# Altium PCB Driver_BLDC.PcbDoc (part 2 of 3) (continued)
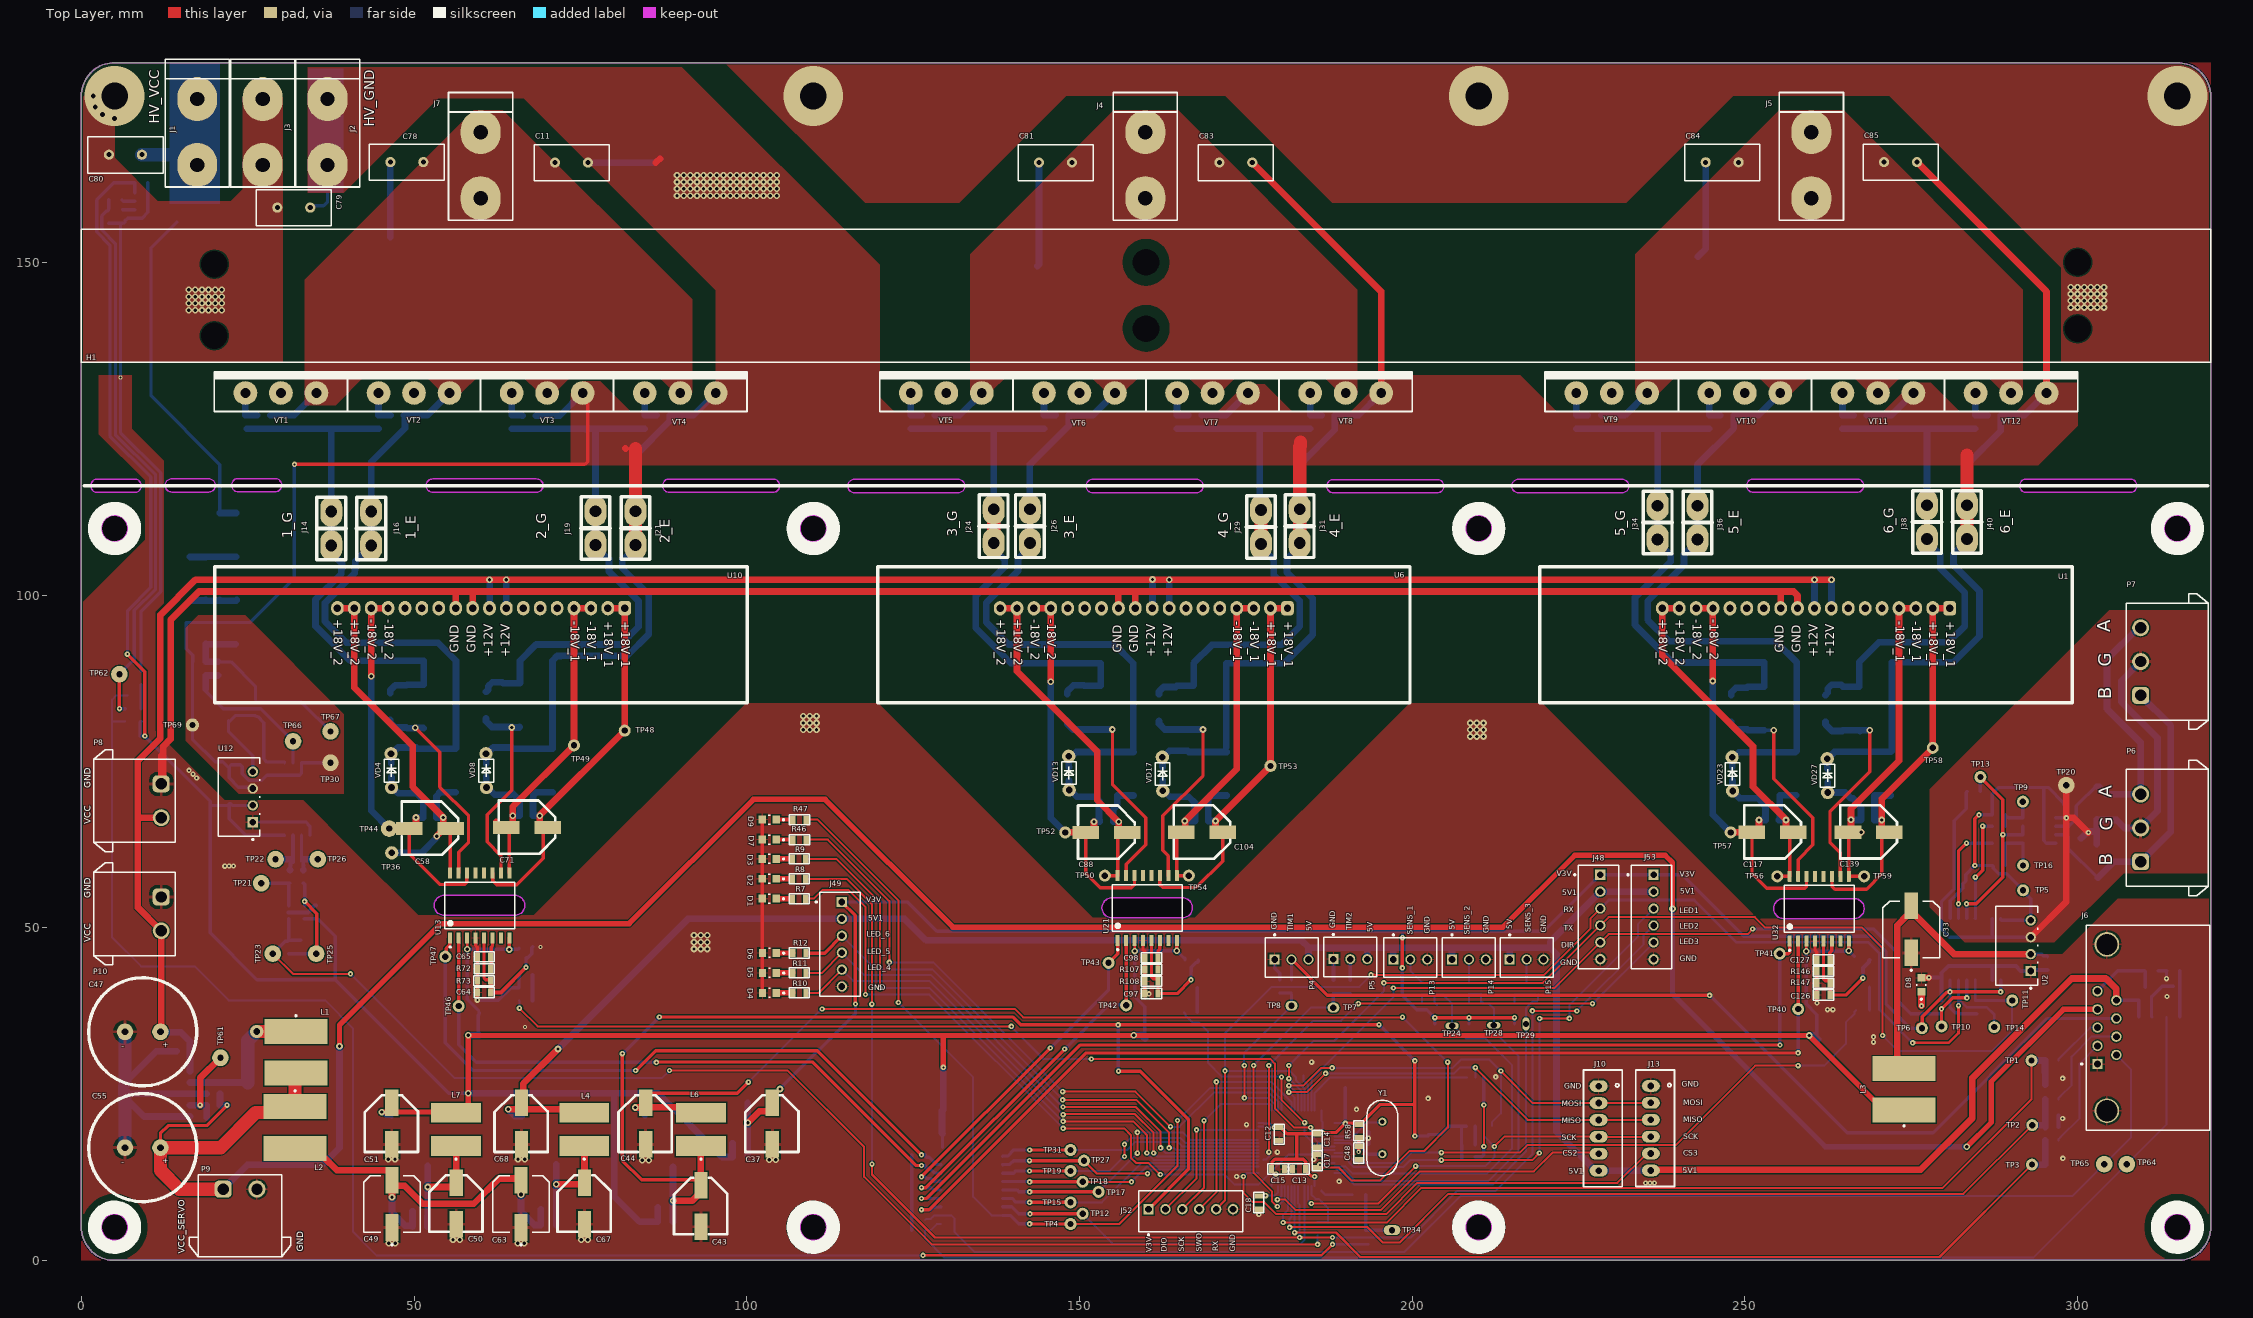
[diagram p0: Top Layer view]
## Nets (pads, with @x,y where several pads share a name; then routed paths per layer and width w, separated by ;. In a path a pad name is that pad's centre, name@x,y a point inside that pad or via, vN(x,y) a via of type N, cw(c..) or ccw(c..) an arc to the next point about the centre after c; other vN are vias at no path point) (continued)
  Bottom Layer w1: U18.6@6.03,25.04 6.03,26.17 6.564,26.704 6.564,26.713 9.72,29.87 9.73,29.87 11.3,31.44 C56.1@14.327,31.44 ; U18.6@6.564,24.506 9.434,21.636 U18.5@16.335,21.636 ; U18.6@6.564,25.04 U18.3@16.335,25.04 ; U18.3@16.335,25.04 C59.1@18.848,25.04
  Bottom Layer w2: C55.2@6.386,16.963 6.386,17.098 6.564,17.276 6.564,24.506 U18.6@6.564,25.04 ; U18.6@6.564,26.713 C47.2@6.564,34.362
  other v1: 46.198,2.584 47.198,2.584 65.573,2.584 66.573,2.584 55.848,3.109 56.848,3.109 75.123,3.134 76.123,3.134 84.273,15.084 85.273,15.084 103.373,15.134 104.373,15.134 46.134,15.189 47.134,15.189 65.623,15.209 66.623,15.209 92.072,46.82 93.072,46.82 94.072,46.82 92.072,47.816 93.072,47.816 94.072,47.816 92.072,48.852 93.072,48.852 94.072,48.852 208.722,78.745 209.722,78.745 210.722,78.745 208.722,79.741 209.722,79.741 210.722,79.741 108.475,79.779 109.475,79.779 110.475,79.779 108.475,80.775 109.475,80.775 110.475,80.775 208.722,80.777 209.722,80.777 210.722,80.777 108.475,81.811 109.475,81.811 110.475,81.811
  other v2: 235.099,11.63 235.75,11.63 236.4,11.63 173.628,12.631 297.783,15.338 179.741,16.288 175.1,20.4 297.758,21.338 191.634,22.717 202.395,24.357 297.758,27.363 212.561,27.607 184.9,29.8 269.325,32.8 269.324,33.6 262.412,37.683 263.212,37.683 313.424,39.677 21.566,59.264 22.216,59.275 22.866,59.275 17.343,72.509 16.793,73.091 16.191,73.649
  other v3: 176.95,6.925 189.03,11.881 181.375,13.742 185.195,15.203
  other v7: 66.705,35.068 69,47.075 5.875,132.7
"GND -650VDC": C11.1 C31.1 C32.2 C39.1 C76.1 C77.1 C79.1 C82.2 C83.1 C85.1 C110.1 C112.2 C142.1 C143.2 J2.1 J21.1 J31.1 J40.1 R79.1 R80.1 R81.1 R82.1 R91.1 R93.1 R102.1 R103.1 R116.1 R117.1 R118.1 R119.1 R152.1 R153.1 TP30.1 TP69.1 U7.3 U7.4 U12.3 VD6.1 VD8.1 VD15.1 VD17.1 VD25.1 VD27.1 VT3.3 VT4.3 VT7.3 VT8.3 VT11.3 VT12.3 | length 573.3
  Top Layer w0.5: v2(32.025,119.65) 75.693,119.65 76.093,120.05 76.093,128.784 75.334,129.543 VT3.3@75.334,130.369
  Top Layer w1: 81.75,122.05 81.819,121.981 ; 86.335,164.983 86.919,165.567 86.995,165.567 ; C83.1@175.971,165.004 195.334,145.641 VT8.3@195.334,130.369 ; C85.1@275.869,165.059 295.334,145.595 VT12.3@295.334,130.369 ; 283.38,120.986 283.435,121.041
  Top Layer w2: J21.1@83.277,107.512 J21.1@83.277,112.592 83.277,122.029 ; J31.1@183.094,107.808 J31.1@183.094,112.888 183.094,122.294 183.225,122.425 183.225,123 ; J40.1@283.38,108.426 J40.1@283.38,113.506 283.38,120.986
  Bottom Layer w0.5: U12.3@25.775,70.925 25.574,71.126 23.614,71.126 22.222,72.518 22.222,73.978 C32.2@22.125,74.075 ; v2(32.025,119.65) 32,119.625 32,102.5 25.375,95.875 15.774,95.875 R80.1@15.774,92.675 15.774,91.924 16.725,90.974 C77.1@16.725,89.975 16.7,89.95 16.7,87.913 R79.1@16.7,85.825 16.7,78.325 20.1,74.925 21.275,74.925 C32.2@22.125,74.075 ; C79.1@34.3,158.5 36.399,158.5 37,159.101 J2.1@37,164.634 ; TP30.1@37.446,74.8 U7.4@34.355,74.8 U7.3@33.085,74.8 33.085,73.193 32.792,72.9 C31.1@28.125,72.9 27.9,72.9 27.132,72.132 25.183,72.132 24.175,73.14 24.175,74.207 23.882,74.5 22.55,74.5 C32.2@22.125,74.075
  Bottom Layer w1: C82.2@60.857,74.645 60.831,74.67 60.831,76.12 VD8.1@60.806,76.145 60.956,76.145 61.892,77.081 C39.1@64.686,77.081 64.861,76.906 R82.1@68.401,76.906 R82.1@70.851,76.906 70.797,76.96 VD6.1@70.797,90.131 71.497,90.831 72.033,90.831 72.083,90.881 82.031,90.881 85.293,94.143 85.293,100.044 81.299,104.038 R81.1@81.299,104.276 ; R93.1@68.31,126.934 71.899,126.934 VT3.3@75.334,130.369 ; C11.1@76.135,164.983 86.411,164.983 86.995,165.567 ; R81.1@81.299,104.055 81.299,105.406 ; 81.299,105.227 83.277,107.205 J21.1@83.277,107.512 J21.1@83.277,112.592 83.277,118.674 83.277,119.568 83.277,120.977 88.439,126.139 R91.1@88.439,127.004 91.969,127.004 VT4.3@95.334,130.369 ; C112.2@162.503,74.141 162.478,74.166 162.478,75.615 VD17.1@162.453,75.641 162.573,75.641 163.523,76.591 C110.1@166.273,76.591 166.448,76.416 R119.1@169.678,76.416 R119.1@172.128,76.416 R119.1@171.994,76.55 ; R103.1@168.361,127.061 172.026,127.061 VT7.3@175.334,130.369 ; R119.1@172.034,77.13 VD15.1@172.034,89.771 180.794,89.771 185.039,94.016 185.039,99.53 181.179,103.39 R118.1@181.179,104.257 181.179,105.461 183.094,107.376 J31.1@183.094,107.808 ; J31.1@183.094,112.888 183.094,119.569 188.376,124.851 R102.1@188.376,127.01 191.976,127.01 VT8.3@195.334,130.369 ; J31.1@183.25,107.964 J31.1@183.25,112.732 ; C143.2@262.418,73.894 262.393,73.92 262.393,75.369 VD27.1@262.368,75.394 262.419,75.394 263.454,76.429 R153.1@269.473,76.429 R153.1@271.923,76.429 272.048,76.555 VD25.1@272.048,89.904 281.359,89.904 285.26,93.805 285.26,100.602 281.34,104.522 R152.1@281.34,105.243 281.34,106.204 283.38,108.244 J40.1@283.38,108.426 J40.1@283.38,113.506 283.38,119.625 288.452,124.697 R117.1@288.452,127.004 291.969,127.004 VT12.3@295.334,130.369 ; R116.1@268.335,127.004 271.969,127.004 VT11.3@275.334,130.369
  Bottom Layer w2: J31.1@183.094,112.888 J31.1@183.25,112.732
  other v1: 89.513,160.03 90.513,160.03 91.513,160.03 92.513,160.03 93.513,160.03 94.513,160.03 95.513,160.03 96.513,160.03 97.514,160.03 98.514,160.03 99.514,160.03 100.514,160.03 101.514,160.03 102.514,160.03 103.514,160.03 104.514,160.03 89.513,161.066 90.513,161.066 91.513,161.066 92.513,161.066 93.513,161.066 94.513,161.066 95.513,161.066 96.513,161.066 97.514,161.066 98.514,161.066 99.514,161.066 100.514,161.066 101.514,161.066 102.514,161.066 103.514,161.066 104.514,161.066 89.513,162.062 90.513,162.062 91.513,162.062 92.513,162.062 93.513,162.062 94.513,162.062 95.513,162.062 96.513,162.062 97.514,162.062 98.514,162.062 99.514,162.062 100.514,162.062 101.514,162.062 102.514,162.062 103.514,162.062 104.514,162.062 89.513,163.098 90.513,163.098 91.513,163.098 92.513,163.098 93.513,163.098 94.513,163.098 95.513,163.098 96.513,163.098 97.514,163.098 98.514,163.098 99.514,163.098 100.514,163.098 101.514,163.098 102.514,163.098 103.514,163.098 104.514,163.098
GND_2: C9.2 P6.2 P7.2 R38.1 R41.1 TP20.1 U2.3 U3.5 U4.9 U4.15 ZD1.2 ZD2.2 | length 112.7
  Top Layer w1: U2.3@292.961,48.578 298.316,53.933 v3(298.316,66.522) ; TP20.1@298.316,71.428 v3(298.316,66.522) ; v2(301.604,64.312) 299.394,66.522 v3(298.316,66.522) ; P6.2@309.475,65 P6.2@309.475,65.161
  Bottom Layer w0.5: R38.1@283.396,70.487 283.246,70.337 283.246,67.857 281.453,66.065 C9.2@281.453,56.922 281.453,55.845 279.556,53.947 U4.9@279.556,51.393 279.556,49.769 280.747,48.578 287.176,48.578 ; U4.15@287.176,51.393 287.176,48.578 ; U2.3@292.961,48.578 287.176,48.578 ; U3.5@296.711,66.522 v3(298.316,66.522) ; ZD2.2@302.858,62.549 ZD2.2@302.946,62.462
  Bottom Layer w1: R41.1@300.516,63.437 300.516,63.462 300.716,63.662 300.741,63.662 v2@301.497,64.419 ; v2@301.604,64.477 302.858,64.477 ; ZD2.2@302.858,62.549 302.858,64.477 ; ZD1.2@302.858,66.287 302.858,64.477 ; ZD1.2@303.296,66.197 305.876,66.197 307.072,65 P6.2@309.475,65 312,67.525 312,78.543 306.6,83.943 306.6,87.125 P7.2@309.475,90
GND_-24V_1: C57.1 C58.2 C61.2 C62.1 TP44.1 U10.15 U10.16 U13.14 VD4.2 | length 68.6
  Top Layer w0.5: C58.2@49.278,64.911 49.278,61.129 53.908,56.5 57.581,56.5 57.931,56.851 57.931,58.176 U13.14@57.981,58.226
  Top Layer w1: v1(43.586,87.818) 43.561,87.843 U10.16@43.561,98.029 U10.15@46.101,98.029 ; TP44.1@46.654,64.889 49.256,64.889 C58.2@49.278,64.911 49.786,64.911 50.286,65.411 v4(50.286,66.561)
  Bottom Layer w1: v1(43.586,87.818) 43.586,67.576 TP44.1@46.252,64.911 ; C62.1@46.599,72.645 46.611,72.632 46.611,71.082 VD4.2@46.623,71.07 46.796,71.07 47.671,70.195 C61.2@50.321,70.195 50.471,70.195 51.071,69.595 51.071,69.304 51.366,69.009 C57.1@51.366,66.531 51.336,66.561 v4(50.286,66.561)
GND_-24V_2: C39.2 C70.1 C71.2 C82.1 TP49.1 U10.3 U10.4 U13.9 VD8.2 | length 59.4
  Top Layer w0.5: U13.9@64.331,58.226 C71.2@64.331,64.608
  Top Layer w1: C71.2@62.378,65.932 62.378,65.561 62.878,65.061 64.336,65.061 64.836,65.561 v4(64.836,66.811) 64.836,68.199 TP49.1@74.041,77.404 U10.4@74.041,98.029 U10.3@76.581,98.029 ; C71.2@64.331,64.608 C71.2@64.378,64.561
  Bottom Layer w1: C82.1@60.857,72.645 60.869,72.632 60.869,71.082 VD8.2@60.881,71.07 61.035,71.07 62.124,69.981 64.486,69.981 C39.2@64.686,70.181 64.836,70.181 65.436,69.581 65.436,69.431 65.876,68.991 C70.1@65.876,66.811 v4(64.836,66.811)
GND_-24V_3: C86.1 C88.2 C92.2 C94.1 TP52.1 U6.15 U6.16 U21.14 VD13.2 | length 68.4
  Top Layer w0.5: C88.2@150.893,64.361 C88.2@150.933,64.321 ; C88.2@152.193,65.071 151.443,64.321 C88.2@150.933,64.321 ; U21.14@158.278,57.836 158.278,56.508 157.796,56.025 153.125,56.025 150.933,58.217 C88.2@150.933,64.321
  Top Layer w1: U6.16@143.154,98.01 U6.15@145.694,98.01 v1(145.694,86.98) ; TP52.1@148.085,64.361 C88.2@150.893,64.361 ; C88.2@152.193,65.071 v4(152.193,65.931)
  Bottom Layer w0.5: v4(152.193,65.931) v4@152.203,65.94 ; C86.1@153.063,65.94 C86.1@153.073,65.95
  Bottom Layer w1: v1(145.694,86.98) 145.694,66.482 TP52.1@147.856,64.321 ; C94.1@148.427,72.14 148.44,72.128 148.44,70.717 VD13.2@148.452,70.705 ; VD13.2@148.731,70.566 149.606,69.691 C92.2@152.193,69.691 152.343,69.691 152.943,69.091 152.943,66.301 C86.1@153.073,66.171 ; v4@152.203,65.94 C86.1@153.063,65.94
GND_-24V_4: C102.1 C104.2 C110.2 C112.1 TP54.1 U6.3 U6.4 U21.9 VD17.2 | length 59.6
  Top Layer w0.5: C104.2@165.305,64.331 C104.2@165.875,64.9 ; C104.2@165.395,64.321 165.378,64.321 164.628,63.571 U21.9@164.628,57.836 TP54.1@166.439,57.836
  Top Layer w1: v1(165.835,66.05) 173.634,73.849 U6.4@173.634,98.01 U6.3@176.174,98.01 ; C104.2@165.875,64.9 v1@165.875,66
  Bottom Layer w1: C112.1@162.503,72.141 162.516,72.128 162.516,70.578 VD17.2@162.528,70.566 162.696,70.566 163.571,69.691 C110.2@166.273,69.691 166.423,69.691 167.353,68.761 C102.1@167.353,66.05 165.936,66.05 v1@165.926,66.04
GND_-24V_5: C115.1 C117.2 C122.2 C123.1 TP57.1 U1.15 U1.16 U32.14 VD23.2 | length 69.9
  Top Layer w0.5: C117.2@251.059,64.354 251.059,58.168 253.268,55.959 258.979,55.959 259.272,56.252 U32.14@259.272,57.729
  Top Layer w1: U1.16@242.672,98.01 U1.15@245.212,98.01 245.161,97.959 v1(245.161,87.081) ; TP57.1@248.446,64.329 251.034,64.329 C117.2@251.059,64.354 251.627,64.354 252.127,64.854 v4(252.127,66.204)
  Bottom Layer w1: v1(245.161,87.081) 245.161,67.025 TP57.1@247.86,64.326 ; C123.1@248.127,72.135 248.139,72.123 248.139,70.573 VD23.2@248.151,70.56 ; VD23.2@248.295,70.349 249.17,69.474 C122.2@251.787,69.474 ; C122.2@251.791,69.47 251.941,69.47 252.537,68.874 252.537,68.724 253.087,68.174 C115.1@253.087,66.164 253.047,66.204 v4(252.127,66.204)
GND_-24V_6: C138.1 C139.2 C142.2 C143.1 TP59.1 U1.3 U1.4 U32.9 VD27.2 | length 61.6
  Top Layer w0.5: C139.2@265.489,64.354 C139.2@265.938,64.803 ; C139.2@265.622,64.221 U32.9@265.622,57.729 TP59.1@267.927,57.729 TP59.1@268.125,57.729
  Top Layer w1: C139.2@265.622,64.221 C139.2@265.489,64.354 265.938,64.354 v1(267.489,64.354) ; C139.2@265.938,64.803 265.938,67.894 273.152,75.108 U1.4@273.152,98.01 U1.3@275.692,98.01
  Bottom Layer w0.5: C143.1@262.418,71.894 C143.1@262.431,71.882 ; VD27.2@262.431,70.332 VD27.2@262.443,70.319
  Bottom Layer w1: VD27.2@262.431,70.332 C143.1@262.431,71.882 ; VD27.2@262.443,70.319 265.063,70.319 265.938,69.444 C142.2@266.088,69.444 266.238,69.444 267.088,68.594 267.088,68.444 267.457,68.075 C138.1@267.457,66.204 265.954,66.204 v1(265.938,66.22)
NetC1_2: C1.2 R1.2 R4.1 TP1.1 U8.27 | length 137.9
  Top Layer w0.3: v2(180.621,5.7) 196.15,5.7 201.35,10.9 279.725,10.9 293.072,24.247 TP1.1@293.072,30.054
  Bottom Layer w0.3: v2(180.621,5.7) 180.621,6.868 181.351,7.598 U8.27@181.351,11.19
  Bottom Layer w1: TP1.1@292.704,30.054 TP1.1@293.072,30.054 R1.2@295.161,30.054 295.095,29.988 295.095,28.29 C1.2@295.161,28.224 R4.1@295.161,26.425 R4.1@295.15,26.414 ; R1.2@295.151,30.064 R1.2@295.161,30.054
NetC2_2: C2.2 R2.2 R5.1 TP2.1 U8.26 | length 132.7
  Top Layer w0.3: v2(181.6,4.97) 181.63,5 193.289,5 195.588,2.701 198.106,2.701 205.405,10 282.841,10 TP2.1@293.185,20.344
  Bottom Layer w0.3: v2(181.6,4.97) 181.6,6.274 181.851,6.525 U8.26@181.851,11.19
  Bottom Layer w1: TP2.1@292.757,20.344 TP2.1@293.185,20.344 295.146,20.344 C2.2@295.15,20.348 ; C2.2@295.15,20.034 C2.2@295.15,20.348 ; R2.2@295.15,24.189 C2.2@295.15,20.348
NetC3_2: C3.2 R3.2 R6.1 TP3.1 U8.25 | length 130.7
  Top Layer w0.3: v3(182.35,4.18) 182.37,4.2 188.55,4.2 192.225,0.525 279.25,0.525 TP3.1@293.135,14.41
  Bottom Layer w0.3: v3(182.35,4.18) 182.351,4.181 U8.25@182.351,11.19
  Bottom Layer w1: TP3.1@293.135,14.41 295.135,14.41 R6.1@295.15,14.425 C3.2@295.15,16.193 R3.2@295.15,18.025
NetC8_1: C8.1 U8.5 Y1.2 | length 8.2
  Bottom Layer w0.3: U8.5@188.294,18.631 191.135,18.631 193.262,20.759 195.401,20.759 Y1.2@195.524,20.881
NetC10_1: C10.1 U8.6 Y1.1 | length 8.1
  Bottom Layer w0.3: U8.6@188.294,18.131 191.127,18.131 192.915,16.343 193.085,16.343 193.414,16.014 C10.1@193.447,15.981
  Bottom Layer w0.5: C10.1@193.447,15.981 Y1.1@195.524,15.981
NetC11_2: C11.2 C61.1 C62.2 C78.1 J7.1 J16.1 R61.1 R62.1 R86.1 R87.1 VD2.1 VD4.1 VT1.3 VT2.3 VT3.2 VT4.2 | length 99.8
  Bottom Layer w1: R87.1@28.432,127.036 32.001,127.036 VT1.3@35.334,130.369 ; R61.1@41.075,103.998 41.075,103.275 36.625,98.825 36.625,96.049 39.853,92.822 53.626,92.822 VD2.1@56.317,90.131 56.317,76.996 R62.1@56.241,76.92 R62.1@53.791,76.92 50.496,76.92 C61.1@50.321,77.095 47.596,77.095 46.646,76.145 VD4.1@46.548,76.145 46.573,76.12 46.573,74.67 C62.2@46.599,74.645 ; R61.1@41.183,103.779 41.183,105.084 42.487,106.388 42.499,106.388 43.562,107.452 J16.1@43.562,107.464 J16.1@43.562,112.544 43.562,119.987 48.641,125.066 48.641,126.402 48.598,126.445 48.598,126.904 R86.1@48.498,127.004 51.969,127.004 VT2.3@55.334,130.369
NetC18_2: C18.2 U8.30 | length 3.9
  Top Layer w0.3: C18.2@176.95,9.7 C18.2@176.973,9.723 ; v2@177.949,9.723 v2(177.972,9.746)
  Top Layer w0.5: C18.2@176.973,9.723 v2@177.949,9.723
  Bottom Layer w0.3: v2@178.172,9.796 179.416,9.796 179.849,10.229 179.849,11.188 U8.30@179.851,11.19
NetC27_1: C27.1 C29.1 R51.2 R53.1 TP25.1 U5.4 | length 17.2
  Top Layer w0.5: v3(33.565,53.975) 35.402,52.138 TP25.1@35.402,45.12
  Bottom Layer w0.5: C29.1@31.185,46.105 TP25.1@35.293,46.105 ; R51.2@33.375,56.675 33.415,56.675 33.565,56.525 v3(33.565,53.975) U5.4@33.565,53.275
NetC27_2: C27.2 R49.2 TP21.1 U5.3 | length 7.8
  Bottom Layer w0.5: TP21.1@27.025,56.685 27.035,56.675 R49.2@31.315,56.675 ; U5.3@31.165,53.275 31.165,56.525 R49.2@31.315,56.675 ; R49.2@31.365,56.675 R49.2@31.315,56.675
NetC28_2: C28.2 R50.1 R52.1 U8.20 | length 8.4
  Bottom Layer w0.3: U8.20@184.851,11.19 184.853,11.188 184.853,9.91 185.493,9.271 185.939,9.271 187.385,7.825 R52.1@187.385,7.6 ; R50.1@185.8,5.75 187.336,5.75 C28.2@187.386,5.7 R52.1@187.385,7.6
NetC29_2: C29.2 R50.2 R53.2 TP23.1 U5.1 | length 188.4
  Top Layer w0.3: TP23.1@28.765,46.105 31.82,43.05 40.425,43.05 v2(40.45,43.075) ; v2(88.396,28.539) 106.161,28.539 117.65,17.05 117.65,12.566 127.791,2.425 v2(185.8,2.425)
  Bottom Layer w0.3: v2(40.45,43.075) 56.125,27.4 87.257,27.4 v2(88.396,28.539) ; v2(185.8,2.425) R50.2@185.8,3.75
  Bottom Layer w0.5: TP23.1@28.765,46.105 30.615,47.955 31.035,47.955 C29.2@31.185,48.105 ; U5.1@31.165,51.375 31.165,48.125 C29.2@31.185,48.105 ; R53.2@32.995,48.105 C29.2@31.185,48.105
NetC41_2: C41.2 R57.2 R63.1 R65.2 TP34.1 | length 9.8
  Bottom Layer w0.5: R63.1@193.025,9.896 193.04,9.881 R57.2@193.04,4.55 TP34.1@197.475,4.55
NetC48_2: C48.2 R58.1 U8.7 | length 6.3
  Top Layer w0.5: v9(191.964,16.332) 191.973,16.341 191.973,17.275 191.982,17.284 R58.1@191.982,18.436
  Bottom Layer w0.3: U8.7@188.294,17.631 190.665,17.631 v9(191.964,16.332)
NetC50_1: C50.1 C53.2 L7.1 U17.2 | length 19.3
  Top Layer w1: v1(52.06,11.05) 55.85,11.05 56.35,11.55 56.35,11.6 56.35,17.175 L7.1@56.3,17.225
  Bottom Layer w1: C53.2@52.011,5.1 52.011,6.601 52.06,6.651 U17.2@52.06,7.405 v1(52.06,11.05) U17.2@52.06,14.195
NetC64_2: C64.2 Q1.3 R73.2 R76.2 U13.5 | length 19.5
  Top Layer w0.5: U13.5@60.521,48.476 60.521,42.446 60.796,42.171 61.423,42.171 R73.2@61.532,42.062 ; C64.2@61.542,40.272 C64.2@61.542,40.282
  Top Layer w0.6: R73.2@61.532,42.062 61.532,41.737 61.532,40.282 61.542,40.282 63.052,40.282 v3(66.834,44.064)
  Bottom Layer w0.5: v3(66.834,44.064) Q1.3@66.834,45.214 66.884,45.264 66.884,45.489 67.109,45.489 67.684,46.064 67.684,47 R76.2@67.834,47.15
NetC65_2: C65.2 R72.2 U13.6 | length 4.7
  Top Layer w0.5: R72.2@61.542,43.851 61.586,43.896 61.586,47.051 61.791,47.256 U13.6@61.791,48.476
NetC67_1: C67.1 C69.2 L4.1 U19.2 | length 19.7
  Top Layer w1: v1(71.35,11.433) 75.625,11.433 75.625,17.658 L4.1@75.575,17.708
  Bottom Layer w1: C69.2@71.35,5.333 U19.2@71.35,14.453
NetC74_2: C74.2 R69.2 TP62.1 U14.3 | length 83.5
  Top Layer w0.5: v2(5.724,82.922) TP62.1@5.724,88.112
  Bottom Layer w0.5: R69.2@4.116,159.392 4.125,159.383 4.125,158.024 4.078,157.976 4.078,157.823 3.979,157.724 3.825,157.724 3.075,156.973 3.075,154.875 5.125,152.825 5.125,124.1 11.15,118.075 11.15,100.875 7.975,97.7 7.975,90.363 TP62.1@5.724,88.112 ; v2(5.724,82.922) 5.736,82.911 6.587,82.911 U14.3@6.598,82.9
NetC75_2: C75.2 DD1.6 | length 1.9
  Bottom Layer w0.5: C75.2@6.183,157.874 6.219,157.91 DD1.6@8.034,157.91
NetC76_2: C76.2 R78.2 R79.2 TP66.1 U7.2 | length 23.7
  Bottom Layer w0.5: R79.2@18.7,85.825 18.85,85.675 18.85,85.397 21.347,82.9 26.929,82.9 TP66.1@31.815,78.014 U7.2@31.815,74.8
  Bottom Layer w1: R79.2@18.7,85.825 18.723,85.848 C76.2@18.723,87.913 20.513,87.913 R78.2@20.55,87.95
NetC77_2: C77.2 R74.1 R75.1 R78.1 R80.2 TP67.1 | length 31.7
  Bottom Layer w0.5: R78.1@20.55,89.95 22.5,89.95 26.175,86.275 R75.1@26.175,84.275 ; R75.1@26.094,83.9 33.052,83.9 TP67.1@37.677,79.275
  Bottom Layer w1: R80.2@18.676,92.675 R80.2@18.725,92.626 ; R78.1@20.55,89.95 18.75,89.95 C77.2@18.725,89.975 R80.2@18.725,92.626 ; R74.1@23.225,92.6 R74.1@20.775,92.6 18.751,92.6 R80.2@18.725,92.626
NetC80_1: C80.1 DD1.1 DD1.2 J1.1 | length 9
  Bottom Layer w2: C80.1@9.1,166.175 15.884,166.175 J1.1@17.425,164.634
NetC81_1: C81.1 C83.2 C92.1 C94.2 J4.1 J26.1 R95.1 R96.1 R98.1 R99.1 VD11.1 VD13.1 VT5.3 VT6.3 VT7.2 VT8.2 | length 102.3
  Bottom Layer w1: R99.1@128.279,127.036 132.001,127.036 VT5.3@135.334,130.369 ; VD13.1@148.377,75.78 148.402,75.755 148.402,74.166 C94.2@148.427,74.14 ; VD13.1@148.754,75.641 149.529,76.416 R96.1@155.678,76.416 R96.1@158.128,76.416 158.074,76.47 VD11.1@158.074,89.761 155.267,92.568 139.344,92.568 136.017,95.895 136.017,98.867 140.775,103.625 140.775,105.436 142.545,107.206 J26.1@142.545,107.808 J26.1@142.545,112.888 142.545,113.692 142.545,119.62 148.422,125.497 R98.1@148.422,127.061 152.026,127.061 VT6.3@155.334,130.369
NetC84_1: C84.1 C85.2 C122.1 C123.2 J5.1 J36.1 R109.1 R110.1 R135.1 R136.1 VD21.1 VD23.1 VT9.3 VT10.3 VT11.2 VT12.2 | length 102.8
  Bottom Layer w1: R109.1@228.406,127.004 231.969,127.004 VT9.3@235.334,130.369 ; C123.2@248.127,74.135 248.102,74.16 248.102,75.61 VD23.1@248.076,75.635 248.347,75.635 249.086,76.374 C122.1@251.787,76.374 257.567,76.374 R136.1@257.682,76.489 257.808,76.615 VD21.1@257.808,89.864 254.622,93.05 238.608,93.05 235.382,96.276 235.382,99.07 240.852,104.541 R135.1@240.852,105.268 240.852,106.123 242.888,108.158 J36.1@242.888,108.35 J36.1@242.888,113.43 242.888,119.613 248.32,125.045 R110.1@248.32,127.004 251.969,127.004 VT10.3@255.334,130.369
NetC87_2: C87.2 D13.2 R120.2 R123.1 TP24.1 U8.14 | length 64.2
  Bottom Layer w0.3: U8.14@188.292,14.131 189.972,14.131 191.039,13.064 211.214,13.064 215.025,16.875 215.025,29.35 211.025,33.35 208.125,33.35 206.475,35 206,35 206,38.584 204.632,39.952 C87.2@203.372,39.952 ; R123.1@201.5,38.7 201.5,39.945 R120.2@201.507,39.952 C87.2@203.372,39.952 ; D13.2@203.707,38.4 D13.2@203.407,38.7 203.372,38.735 C87.2@203.372,39.952
NetC89_2: C89.2 D11.2 R121.2 R124.1 TP28.1 U8.15 | length 59.8
  Bottom Layer w0.3: U8.15@188.624,13.645 188.766,13.645 188.78,13.631 189.725,13.631 189.745,13.611 189.775,13.611 191.461,11.925 211.425,11.925 215.997,16.497 215.997,30.703 212.264,34.436 212.264,35 212.264,37.869 211.533,38.6 210.672,38.6 210.672,38.7 R124.1@210.322,39.05 ; D11.2@208.532,38.7 R121.2@208.532,40.027 C89.2@210.322,40.027 R124.1@210.322,39.05 ; R124.1@210.322,38.725 R124.1@210.322,39.05
NetC90_2: C90.2 D15.2 R122.2 R125.1 TP29.1 U8.16 | length 60.6
  Bottom Layer w0.3: U8.16@188.292,13.131 189.576,13.131 191.262,11.445 212.17,11.445 217.1,16.375 217.1,34.25 217.1,35.353 217.1,37.896 218.154,38.95 218.727,38.95 218.903,39.125 218.903,39.863 C90.2@218.992,39.952 ; D15.2@215.375,38.7 R125.1@215.375,39.952 ; R125.1@215.375,39.952 R122.2@217.202,39.952 C90.2@218.464,39.952
NetC97_2: C97.2 Q2.3 R104.2 R108.2 U21.5 | length 18.1
  Top Layer w0.5: U21.5@160.818,48.086 160.818,42.606 161.111,42.313 161.663,42.313 161.813,42.163 R108.2@161.813,41.938 C97.2@161.813,40.118 164.707,40.118 v2(166.76,42.17)
  Bottom Layer w0.5: v2(166.76,42.17) Q2.3@166.76,43.32 166.81,43.37 166.81,44.091 167.487,44.767 167.712,44.767 167.862,44.917 R104.2@167.862,45.142
NetC98_2: C98.2 R107.2 U21.6 | length 4.5
  Top Layer w0.5: R107.2@161.813,43.721 161.813,46.525 162.088,46.8 U21.6@162.088,48.086
NetC126_2: C126.2 Q3.3 R132.2 R147.2 U32.5 | length 17.7
  Top Layer w0.5: U32.5@261.812,47.979 261.807,47.974 261.807,42.338 262.1,42.045 262.657,42.045 R147.2@262.807,41.895 ; R147.2@262.807,41.67 262.807,39.9 C126.2@262.812,39.895 265.186,39.894 v2(267.723,42.432)
  Bottom Layer w0.5: v2(267.723,42.432) 267.749,42.458 267.749,43.327 Q3.3@267.775,43.353
  Bottom Layer w0.6: Q3.3@267.775,43.353 267.775,43.966 268.659,44.85 268.659,45.075 R132.2@268.759,45.175
NetC127_2: C127.2 R146.2 U32.6 | length 4.7
  Top Layer w0.5: R146.2@262.807,43.45 262.777,43.479 262.777,46.277 263.035,46.535 263.035,47.932 U32.6@263.082,47.979
NetD1_1: D1.1 R7.1 | length 2.5
  Top Layer w0.8: D1.1@104.43,54.366 R7.1@106.88,54.366
NetD2_1: D2.1 R8.1 | length 2.5
  Top Layer w0.8: D2.1@104.43,57.366 R8.1@106.88,57.366
NetD3_1: D3.1 R9.1 | length 2.5
  Top Layer w0.8: D3.1@104.43,60.366 R9.1@106.88,60.366
NetD4_1: D4.1 R10.1 | length 2.5
  Top Layer w0.8: D4.1@104.455,40.216 R10.1@106.905,40.216
NetD5_1: D5.1 R11.1 | length 2.5
  Top Layer w0.8: D5.1@104.455,43.216 R11.1@106.905,43.216
NetD6_1: D6.1 R12.1 | length 2.5
  Top Layer w0.8: D6.1@104.455,46.216 R12.1@106.905,46.216
NetD7_1: D7.1 R46.1 | length 2.5
  Top Layer w0.6: D7.1@104.43,63.245 R46.1@106.929,63.245
NetD8_1: D8.1 R39.1 | length 2.9
  Top Layer w1: v3(276.541,38.261) D8.1@276.541,40.368
  Bottom Layer w1: R39.1@276.52,39.078 276.541,39.058 v3(276.541,38.261)
NetD9_1: D9.1 R47.1 | length 2.5
  Top Layer w0.6: D9.1@104.43,66.254 R47.1@106.929,66.255
NetD10_1: D10.1 L1.1 U18.2 | length 22.9
  Top Layer w2: v8(26.343,34.4) L1.1@32.25,34.4
  Bottom Layer w1: U18.2@16.335,26.742 24.953,26.742 D10.1@25.004,26.691
  Bottom Layer w2: D10.1@25.004,26.691 25.004,33.061 v8(26.343,34.4)
NetD12_1: D12.1 R60.1 U13.15 | length 31.7
  Top Layer w0.5: v4(50.196,80.061) 53.873,76.384 53.873,71.148 58.186,66.835 58.186,62.841 56.711,61.366 U13.15@56.711,58.226
  Bottom Layer w0.5: R60.1@51.421,79.986 R60.1@51.436,79.971
  Bottom Layer w1: D12.1@46.406,81.261 46.406,80.861 47.164,80.103 48.854,80.103 R60.1@48.971,79.986 v4@50.286,79.986 ; v4(50.196,80.061) 51.346,80.061 R60.1@51.436,79.971
NetD12_2: D12.2 J14.1 R60.2 R61.2 R83.1 R85.1 VD2.2 | length 79.5
  Bottom Layer w1: R83.1@24.891,125.004 37.449,125.004 ; R61.2@39.075,103.998 39.075,103.205 35.2,99.33 35.2,95.325 40.394,90.131 VD2.2@51.436,90.131 51.436,86.551 R60.2@51.421,86.536 R60.2@48.971,86.536 48.854,86.419 47.164,86.419 46.406,85.661 D12.2@46.406,85.261 ; R61.2@39.183,103.998 39.183,104.738 37.562,106.358 J14.1@37.562,112.544 37.562,124.891 37.449,125.004 ; R85.1@44.666,125.004 37.449,125.004
NetD14_1: D14.1 R77.1 U13.10 | length 30.2
  Top Layer w0.5: U13.10@63.061,58.226 63.061,60.846 60.996,62.911 60.996,67.011 64.686,70.701 v4(64.686,80.095)
  Bottom Layer w0.5: R77.1@65.851,80.17 R77.1@65.86,80.161
  Bottom Layer w1: D14.1@60.816,81.445 60.816,81.045 61.166,80.695 61.691,80.17 R77.1@63.401,80.17 v4@64.753,80.17 ; v4(64.686,80.095) 65.794,80.095 R77.1@65.86,80.161
NetD14_2: D14.2 J19.1 R77.2 R81.2 R89.1 R90.1 VD6.2 | length 81.9
  Bottom Layer w1: D14.2@60.816,85.445 61.166,85.795 61.166,86.315 61.752,86.901 63.22,86.901 R77.2@63.401,86.72 R77.2@65.851,86.72 65.916,86.785 VD6.2@65.916,90.131 68.353,92.568 81.077,92.568 83.736,95.227 83.736,99.103 82.245,100.594 79.299,103.54 R81.2@79.299,104.099 ; R89.1@64.666,125.004 75.918,125.004 ; 75.819,124.905 75.918,125.004 ; 77.277,124.954 J19.1@77.277,112.592 77.277,107.294 79.299,105.272 ; R81.2@79.299,104.276 79.299,105.45 ; R90.1@84.666,125.004 75.918,125.004
NetD17_1: D17.1 R92.1 U21.15 | length 32.8
  Top Layer w0.5: v4(154.953,79.806) 154.953,71.531 159.973,66.511 159.973,62.491 157.008,59.526 U21.15@157.008,57.836
  Bottom Layer w1: D17.1@148.143,81.081 148.143,80.681 149.018,79.806 R92.1@150.748,79.806 R92.1@153.198,79.806 v4(154.953,79.806)
NetD17_2: D17.2 J24.1 R92.2 R94.1 R95.2 R97.1 VD11.2 | length 88
  Top Layer w2: J24.1@137.109,107.808 J24.1@137.109,112.888
  Bottom Layer w1: R94.1@124.638,125.004 137.109,125.004 ; J24.1@136.804,112.888 136.804,108.113 J24.1@137.109,107.808 137.109,106.915 138.775,105.249 R95.2@138.775,104.257 138.675,104.157 138.675,104.132 134.391,99.848 134.391,95.082 139.713,89.761 VD11.2@153.193,89.761 153.193,86.361 R92.2@153.198,86.356 R92.2@150.748,86.356 150.657,86.446 149.109,86.446 148.143,85.481 D17.2@148.143,85.081 ; J24.1@137.109,112.888 137.109,125.004 ; R97.1@144.666,125.004 137.109,125.004
NetD19_1: D19.1 R115.1 U21.10 | length 32.2
  Top Layer w0.5: U21.10@163.358,57.836 163.358,60.786 162.528,61.616 162.528,66.833 168.573,72.878 v4(168.573,79.806)
  Bottom Layer w1: D19.1@161.953,81.081 161.953,80.681 162.828,79.806 R115.1@164.628,79.806 R115.1@167.078,79.806 v4(168.573,79.806)
NetD19_2: D19.2 J29.1 R100.1 R101.1 R115.2 R118.2 VD15.2 | length 84.9
  Top Layer w2: J29.1@177.278,107.681 J29.1@177.278,112.761
  Bottom Layer w1: D19.2@161.953,85.081 161.953,85.481 162.655,86.182 164.455,86.182 R115.2@164.628,86.356 R115.2@167.078,86.356 167.153,86.431 VD15.2@167.153,89.771 169.899,92.517 180.34,92.517 183.109,95.286 183.109,99.121 179.179,103.051 R118.2@179.179,104.257 179.179,105.319 177.278,107.22 J29.1@177.278,107.681 177.106,107.852 177.106,125.004 ; R100.1@164.666,125.004 177.106,125.004 ; R101.1@184.709,125.004 177.106,125.004
NetD21_1: D21.1 R131.1 U32.15 | length 32.4
  Top Layer w0.5: v4(254.337,79.674) 254.337,72.404 260.207,66.534 260.207,62.454 258.002,60.249 U32.15@258.002,57.729
  Bottom Layer w0.5: R131.1@252.927,79.684 252.937,79.674 v4(254.337,79.674)
  Bottom Layer w1: D21.1@247.952,80.959 247.952,80.559 248.67,79.842 250.32,79.842 R131.1@250.477,79.684 R131.1@252.927,79.684